# Altium PCB FX_PCB.PcbDoc (part 1 of 2)
Units mil, origin at the board's own origin, x right, y up, seen from the top; angles counter-clockwise.
Board outline 5090.03 x 3840.03 mil, 2 copper layers (Top Layer, Bottom Layer); 132 components, 112 nets, 533 pads, 214 vias.
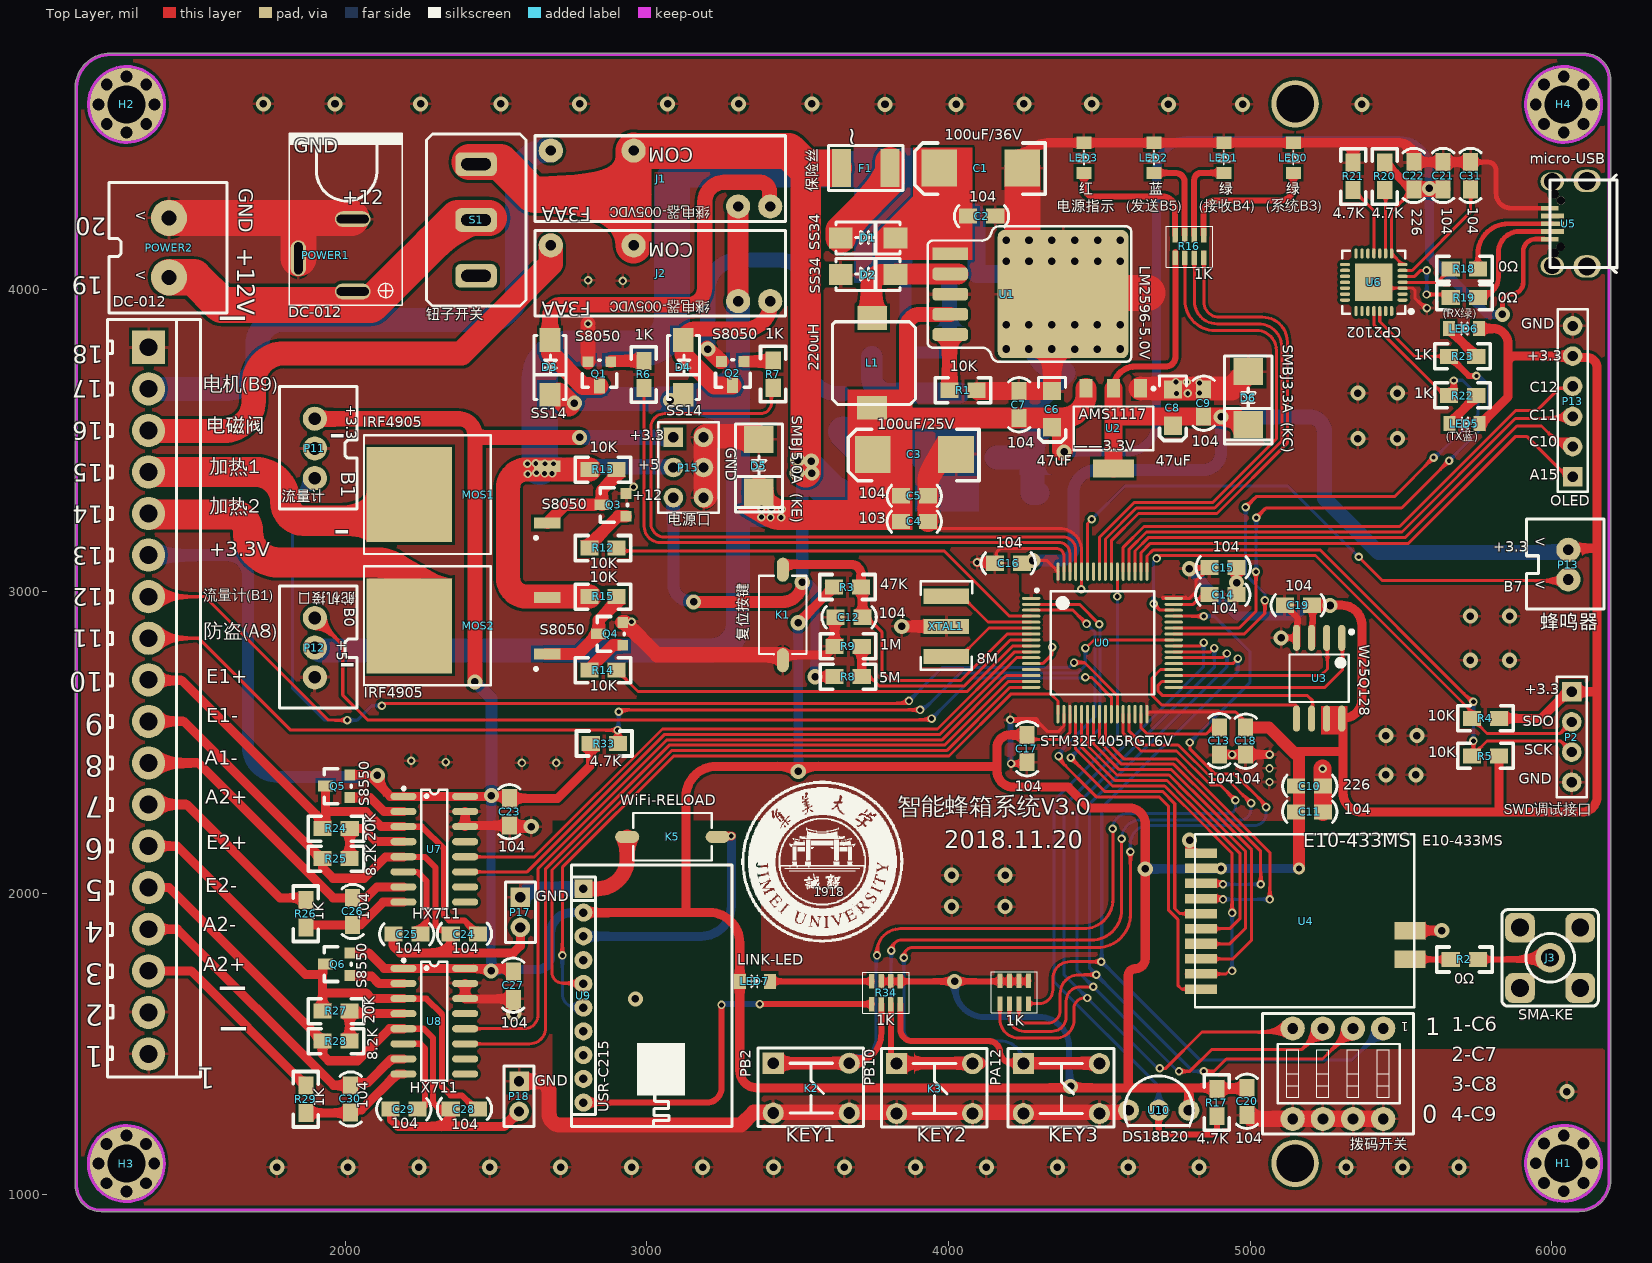
[diagram p0: Top Layer view]
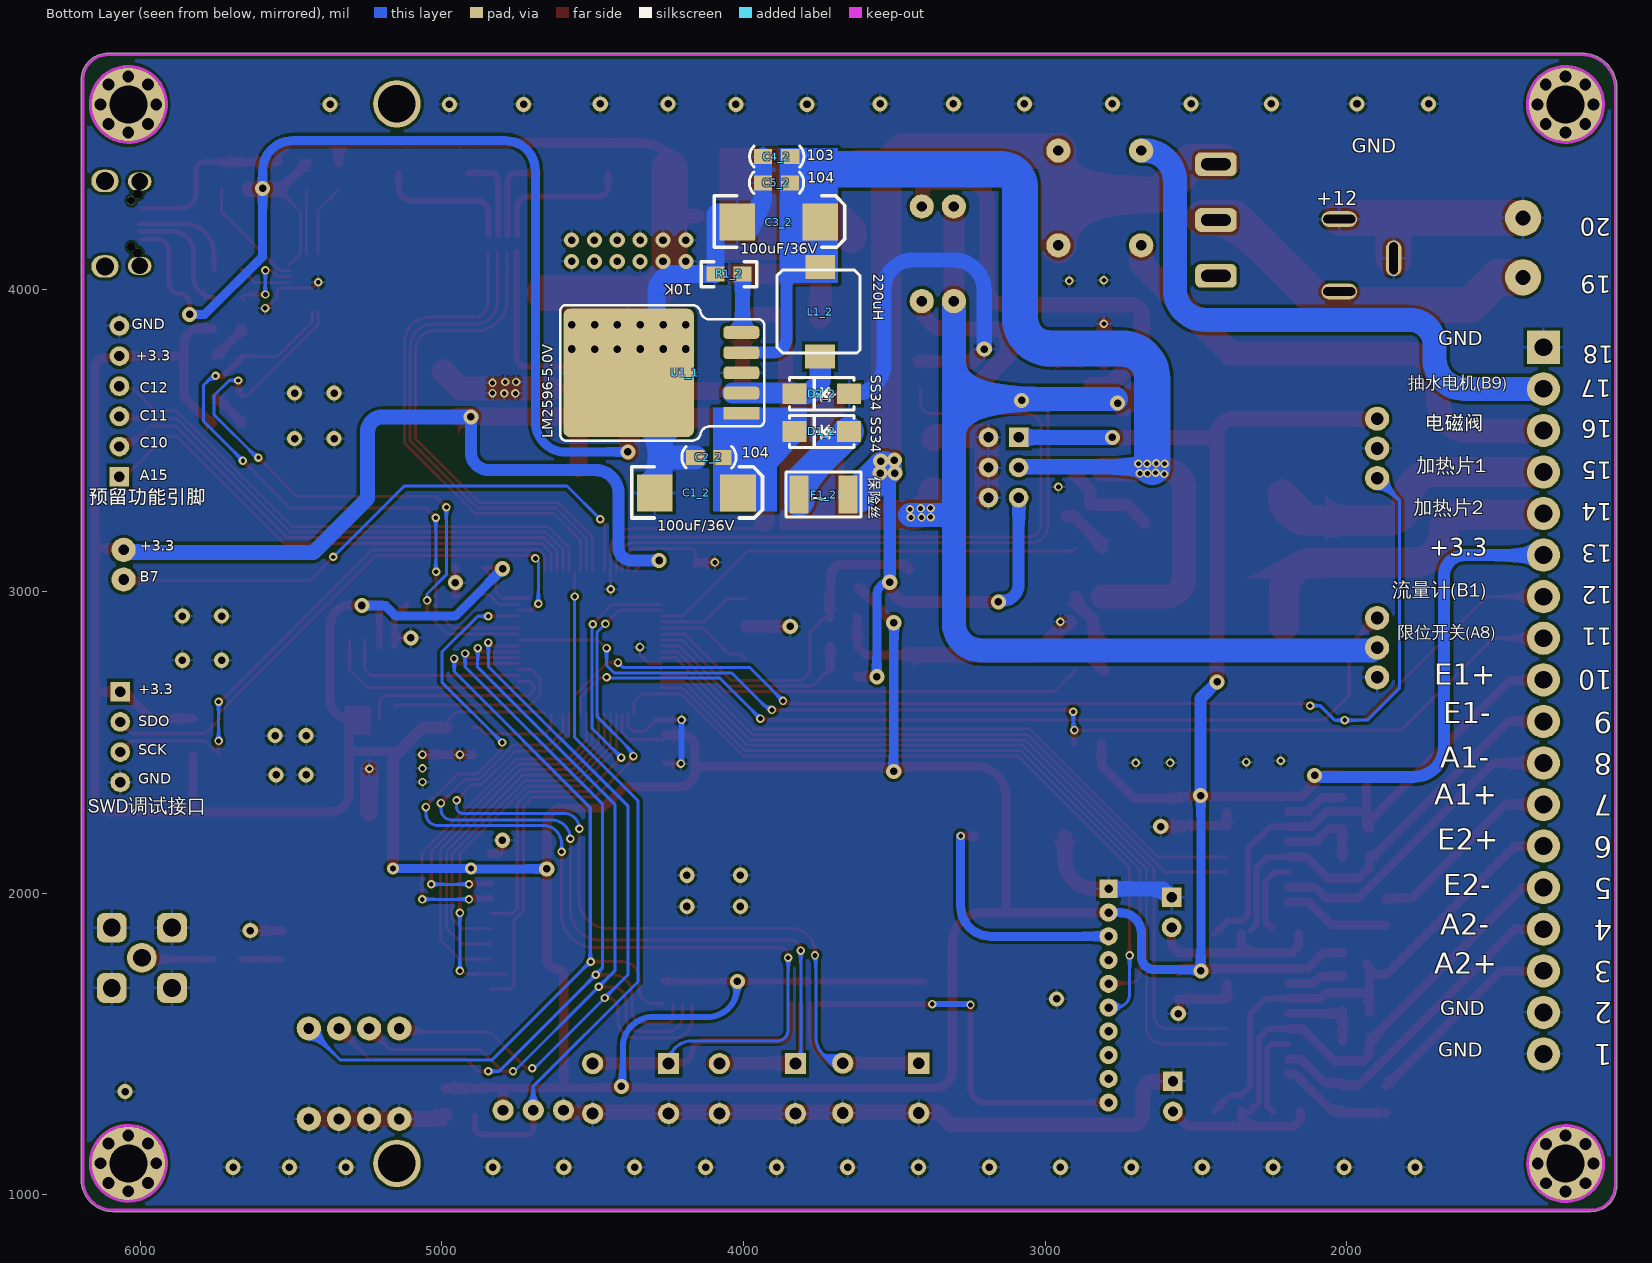
[diagram p1: Bottom Layer view, seen from below]

## Layer stack, top to bottom
Top Solder: solder mask 0.4, Solder Resist, Dk 3.5
Top Layer: signal copper 1.4
Dielectric 1: dielectric 12.6, FR-4, Dk 4.8
Bottom Layer: signal copper 1.4
Bottom Solder: solder mask 0.4, Solder Resist, Dk 3.5

## Board outline
1104.99,1030.81 ccw(c1190.92,1030.92) 1190.83,944.99 ccw(c1190.92,1030.92) 1190.92,944.99 cw(c1190.92,950) 1190.83,944.99 1190.92,944.99 6090.97,944.99 ccw(c6091.02,950) 6091.02,944.99 ccw(c6091.02,1048.98) 6195.02,1048.98 6195.01,4696.23 ccw(c6106.23,4696.23) 6106.33,4785.01 ccw(c6106.23,4780) 6106.23,4785.02 1221.26,4785.01 ccw(c1221.17,4780) 1221.17,4785.02 ccw(c1221.17,4668.83) 1105.05,4672.8 ccw(c1110.06,4672.62) 1105.39,4670.81 ccw(c1110,4668.83) 1104.99,4668.83 1104.98,1030.92 ccw(c1110,1030.92)

## Design rules (kind name [scope] priority, off if disabled: settings)
Clearance [All] p1: gap=8
ComponentClearance [All] p1: gap=0 collisioncheckmode=3 verticalgap=0 showdistances=FALSE
PolygonConnect [All] p1: connectstyle=Relief reliefconductorwidth=10 reliefentries=4 polygonreliefangle="90 Angle" airgapwidth=10
RoutingVias [All] p1: holewidth=28 width=50 viastyle="Through Hole" minholewidth=28 minwidth=50 maxholewidth=28 maxwidth=50
SolderMaskExpansion [All] p1: expansion=4
Width [All] p1: maxlimit=150 minlimit=10 preferedwidth=10 minimp=50.000000 maximp=50.000000 favimp=50.000000
29 further rules are at their usual default settings.

## Classes and differential pairs
component class FX_MCU: C1 C1_2 C2 C2_2 C3 C3_2 C4 C4_2 C5 C5_2 C6 C7 C8 C9 C10 C11 C12 C13 C14 C15 C16 C17 C18 C19 C21 C22 C23 C24 C25 C26 C27 C28 C29 C30 C31 D1 D1_2 D2 D2_2 D5 D6 F1 F1_2 H1 H2 H3 H4 J3 K1 L1 L1_2 LED5 LED6 P2 P13 P15 P17 POWER1 POWER2 Q5 Q6 R1 R1_2 R2 R3 R4 R5 R18 R19 R20 R21 R22 R23 R24 R25 R26 R27 R28 R29 S1 U0 U1 U1_1 U2 U4 U5 U6 U7 U8 XTAL1
component class FX_Peripherals: C20 D3 D4 J1 J2 K2 K3 K5 LED0 LED1 LED2 LED3 LED7 MOS1 MOS2 P11 P12 Q1 Q2 Q3 Q4 R6 R7 R8 R9 R12 R13 R14 R15 R16 R17 R33 U9 U10

## Components (designator, comment, footprint, x,y, rotation, side; value= is the part's Value field where it differs from the comment)
C1 "100uF/36V" TAJ-D 4245,4404.08 r180 top
C1_2 "100uF/36V" TAJ-D 4294,3327 r180 bottom
C2 "104" 0805C 4150,4245 r180 top
C2_2 "104" 0805C 4155,3445 r180 bottom
C3 "100uF/25V" TAJ-D 4025,3455 r180 top
C3_2 "100uF/36V" TAJ-D 4021,4225 r180 bottom
C4 "104" 0805C 3927.24,3232.78 r180 top
C4_2 "104" 0805C 3930,4442 r180 bottom
C5 "103" 0805C 3927.24,3317.78 r180 top
C5_2 "103" 0805C 3931,4355 r180 bottom
C6 "47uF" TAJ-A 4343.56,3545 r270 top
C7 "104" 0805C 4233.56,3660 r270 top
C8 "47uF" TAJ-A 4743.56,3550 r270 top
C9 "104" 0805C 4845.56,3665 r270 top
C10 "226" 0805C 5157,2355.48 r0 top
C11 "104" 0805C 5157,2270 r0 top
C12 "104" 0805C 3630,2915 r0 top
C13 "104" 0805C 4898,2465 r90 top
C14 "104" 0805C 4950,2990 r180 top
C15 "104" 0805C 4870,3080 r0 top
C16 "104" 0805C 4239,3094 r180 top
C17 "104" 0805C 4260,2520 r270 top
C18 "104" 0805C 4985,2545 r270 top
C19 "104" 0805C 5200,2955 r180 top
C20 "104" 0805C 4990,1270 r90 top
C21 "104" 0805C 5639.83,4338.96 r90 top
C22 "226" 0805C 5542.94,4338.96 r90 top
C23 "104" 0805C 2545,2230 r90 top
C24 "104" 0805C 2355,1865 r0 top
C25 "104" 0805C 2245,1865 r180 top
C26 "104" 0805C 2025,1980 r270 top
C27 "104" 0805C 2557.48,1655 r90 top
C28 "104" 0805C 2355,1285 r0 top
C29 "104" 0805C 2235,1285 r180 top
C30 "104" 0805C 2017.64,1358.52 r270 top
C31 "104" 0805C 5730.94,4338.96 r90 top
D1 "SS34" SMA/DO-214AC 3650,4171.4 r0 top
D1_2 "SS34" SMA/DO-214AC 3657,3532 r0 bottom
D2 "SS34" SMA/DO-214AC 3650,4050 r0 top
D2_2 "SS34" SMA/DO-214AC 3657,3657 r0 bottom
D3 "SS14" SMA/DO-214AC 2678,3827 r270 top
D4 "SS14" SMA/DO-214AC 3120,3827 r270 top
D5 "SMBJ5.0A  (KE)" SMBJ 3370,3504 r0 top
D6 "SMBJ3.3A  (KC)" SMBJ 4992,3729 r0 top
F1 "保险丝" 1812 3640,4404.08 r0 top
F1_2 "保险丝" 1812 3649,3322 r0 bottom
H1 "" 定位孔 6040,1106 r0 top
H2 "" 定位孔 1276,4616 r0 top
H3 "" 定位孔 1275.3,1105.08 r0 top
H4 "" 定位孔 6040,4616 r0 top
J1 "继电器-005VDC" 继电器(小型) 3411,4276 r180 top
J2 "继电器-005VDC" 继电器(小型) 3411,3962 r180 top
J3 "SMA-KE" SMA-KE 5995,1785 r0 top
K1 "复位按键" 贴片按键 3448,3067 r270 top
K2 "PB2" SW_PB4_DIP 3671,1438 r180 top
K3 "PB10" SW_PB4_DIP 4080,1436.68 r180 top
K4 "PA12" SW_PB4_DIP 4500,1436.68 r180 top
K5 "WiFi-RELOAD" 贴片按键 3229.33,2190 r180 top
L1 "220uH" "电感 220uh" 3745,3905 r270 top
L1_2 "220uH" "电感 220uh" 3744,3781 r90 bottom
LED0 "绿" 0805LED 5141,4390 r90 top
LED1 "绿" 0805LED 4910.79,4390 r90 top
LED2 "蓝" 0805LED 4678.9,4390 r90 top
LED3 "红" 0805LED 4447,4390 r90 top
LED5 "(TX蓝)" 0805LED 5758.4,3555 r180 top
LED6 "(RX绿)" 0805LED 5756.4,3870 r180 top
LED7 "LINK-LED" 0805LED 3310,1710.18 r0 top
MOS1 "IRF4905" IRF4905(PMOS) 2220,3319.64 r90 top
MOS2 "IRF4905" IRF4905(PMOS) 2220,2885 r90 top
P2 "SWD调试接口" "Header 4" 6065,2669.07 r0 top
P11 "流量计" 接线端子(2.54mm)-3PIN 1880,3376.35 r90 top
P12 "舵机接口" 接线端子(2.54mm)-3PIN 1880,2716 r90 top
P13 "OLED" "Header 6" 6070,3380 r180 top (schematic designator P?)
P13 "" 接线端子(2.54mm)-2PIN 6057.3,3144.11 r270 top
P15 "电源口" "Header 3X2" 3085,3513 r0 top
P17 "GND" "Header 2" 2580,1885 r0 top
P18 "GND" "Header 2" 2575.81,1275 r0 top
P22 "KF350-18P" KF350-18P 1340,3809 r270 top
P35 "拨码开关" 拨码开关(4位直插) 5440,1551 r270 top
POWER1 "DC-012" DC-005 2020,3990 r90 top
POWER2 "DC-012" 接线端子-2P-5.0MM 1420,4227 r270 top
Q1 "S8050" SOT-23 2878,3757 r180 top
Q2 "S8050" SOT-23 3320,3758 r180 top
Q3 "S8050" SOT-23 2925.84,3252.49 r90 top
Q4 "S8050" SOT-23 2915,2825 r90 top
Q5 "S8550" SOT-23 2010,2320 r90 top
Q6 "S8550" SOT-23 2010,1730 r90 top
R1 "10K" 0805R 4048.17,3667.6 r180 top
R1_2 "10K" 0805R 4048,4053 r180 bottom
R2 "0Ω" 0805R 5710,1781.2 r0 top
R3 "47K" 0805R 3665,3015 r180 top
R4 "10K" 0805R 5780,2580 r180 top
R5 "10K" 0805R 5780,2455 r180 top
R6 "1K" 0805R 2990,3720 r270 top
R7 "1K" 0805R 3419,3721 r270 top
R8 "5M" 0805R 3667.39,2718.62 r0 top
R9 "1M" 0805R 3667.39,2818.62 r180 top
R12 "10K" 0805R 2855,3145 r0 top
R13 "10K" 0805R 2855,3405 r0 top
R14 "10K" 0805R 2855,2739.83 r0 top
R15 "10K" 0805R 2855,2983.93 r0 top
R16 "1K" 排阻(4位贴片) 4845.56,4180 r270 top
R17 "4.7K" 0805R 4890,1306.33 r270 top
R18 "0Ω" 0805R 5710,4070 r180 top
R19 "0Ω" 0805R 5710,3975 r180 top
R20 "4.7K" 0805R 5446.1,4376.6 r270 top
R21 "4.7K" 0805R 5341.41,4376.6 r90 top
R22 "1K" 0805R 5704.4,3650 r180 top
R23 "1K" 0805R 5704.4,3780 r180 top
R24 "20K" 0805R 1970.16,2215 r0 top
R25 "8.2K" 0805R 1970,2115 r0 top
R26 "1K" 0805R 1870,1932.34 r270 top
R27 "20K" 0805R 1970,1610 r0 top
R28 "8.2K" 0805R 1970,1510 r0 top
R29 "1K" 0805R 1870,1317.34 r270 top
R33 "4.7K" 0805R 2859,2496 r180 top
R34 "1K" 排阻(4位贴片) 3746.56,1634.59 r90 top
R35 "1K" 排阻(4位贴片) 4264.49,1708.18 r270 top
S1 "钮子开关" 钮子开关(大) 2435,4413 r270 top
U0 "STM32F405RGT6V" LQFP-64(GOOD) 4372,2965 r0 top locked
U1 "LM2596-5.0V" "TO-263-5 - duplicate" 4379.84,3983.56 r270 top locked
U1_1 "LM2596-5.0V" "TO-263-5 - duplicate" 4381,3728 r90 bottom locked
U2 "AMS1117" SOT-223 4633.56,3675 r180 top
U3 "W25Q128" SOW-8 5300,2765 r270 top
U4 "E10-433MS" E10-433MS 4835,2140 r0 top locked
U5 "micro-USB" "Micro-USB (兼容牛角以及固定脚)" 6007,4090 r90 top
U6 "CP2102" QFN-28 5485,3950 r180 top
U7 "HX711" SOP-16 2200,2320 r0 top
U8 "HX711" SOP-16 2200,1750 r0 top
U9 "USR-C215" USR-C215 3054,1421 r180 top
U10 "DS18B20" TO-92 4595.83,1280 r270 top
XTAL1 "8M" 三脚贴片8M晶振 3990,2985 r0 top

## Footprints (in the part's own frame and the unit in brackets; to place one, negate y for a bottom-side part, rotate by r counter-clockwise, add the part's x,y. Pads: shape width x height; smd on the part's side, far side on the other; paste and mask are expansions set on the pad)
0805C [mil]
  rect 60x50 smd: 1(-5,0) 2(85,0)
  silkscreen extent -50,-35 131,36, body extent -16,-26 102,29, height 37
0805LED [mil]
  rect 40x50 smd: 1(-2,-2) 2(98,-2)
  silkscreen extent 25,-22 71,18, body extent 7,-27 87,23, height 43
0805R [mil]
  rect 60x50 smd: 1(-45,0) 2(45,0)
  silkscreen extent -92,-42 92,41, body extent -38,-25 40,25, height 22
1812 [mm]
  rect 1.6x3.2 smd: 1(0.127,0) 2(4.227,0)
  silkscreen extent -0.97,-1.9 5.33,1.9, body extent -0.07,-1.6 4.43,1.6, height 1.6
DC-005 [mil]
  oval 52x118.11 hole 27.56 slot 106.3 at 90 deg: 1(5,-5) 2(245,-5)
  oval 118.11x52 hole 27.56 slot 106.3 at 0 deg: 3(115,175)
  silkscreen extent -40,-170 530,205, body extent -36,-168 538,207, height 430
E10-433MS [mm]
  rect 2.7x0.8 smd: 1(0.068,-0.188) 2(0.068,-1.458) 3(0.068,-2.728) 4(0.068,-3.998) 5(0.068,-5.268) 6(0.068,-6.538) 8(0.068,-9.078) 9(0.068,-10.348) 10(0.068,-11.618)
  rect 2.7x0.9 smd: 7(0.068,-7.808)
  rect 2.6x1.5 smd: 11(17.64,-9.113) 12(17.64,-6.703)
  silkscreen extent -0.45,-13.14 18.02,1.41, body extent -0.45,-13.15 17.98,1.43, height 1.27
"Header 2" [mil]
  rect 65x65 hole 34: 1(0.81,102.01)
  round 65 hole 34: 2(0.81,2.01)
  silkscreen extent -49,-48 51,152, body extent -50,-50 50,150, height 336
"Header 3X2" [mil]
  rect 65x65 hole 34: 1(2.94,-1.52)
  round 65 hole 34: 2(102.94,-1.52) 3(2.94,-101.52) 4(102.94,-101.52) 5(2.94,-201.52) 6(102.94,-201.52)
  silkscreen extent -47,-252 153,48, body extent -42,-252 156,52, height 330
"Header 4" [mil]
  rect 65x65 hole 34: 1(0.95,-0.93)
  round 65 hole 34: 2(0.95,-100.93) 3(0.95,-200.93) 4(0.95,-300.93)
  silkscreen extent -49,-351 51,49, body extent -51,-354 49,46, height 336
"Header 6" [mil]
  rect 65x65 hole 34: 1(0.95,-0.93)
  round 65 hole 34: 2(0.95,-100.93) 3(0.95,-200.93) 4(0.95,-300.93) 5(0.95,-400.73) 6(0.95,-500.73)
  silkscreen extent -49,-556 51,49, body extent -48,-555 52,45, height 336
IRF4905(PMOS) [mm] "IRF4905"
  rect 8x7.2 smd: 1(0.047,0.174)
  rect 0.95x2.25 smd: 2(-2.333,-11.426) 3(2.427,-11.426)
  silkscreen extent -4.95,-10.6 5.05,4, body extent -3.32,-10.46 3.22,-0.52, height 2.39
KF350-18P [mil]
  rect 110x110 hole 59.06: 1(-1.14,8.5)
  round 110 hole 59.06: 2(136.65,8.5) 3(274.45,8.51) 4(412.25,8.51) 5(550.04,8.51) 6(687.84,8.51) 7(825.63,8.5) 8(963.43,8.5) 9(1101.22,8.5) 10(1239.02,8.5) 11(1376.81,8.5) 12(1514.61,8.5) 13(1652.4,8.5) 14(1790.2,8.5) 15(1927.99,8.5) 16(2065.99,8.5) 17(2203.74,8.5) 18(2341.54,8.5)
  silkscreen extent -93,-128 2417,181, body extent -86,-123 2409,172, height 394
LQFP-64(GOOD) [mm]
  oval 1.55x0.25 smd: 1(-2.486,0.325) 2(-2.486,-0.175) 3(-2.486,-0.676) 4(-2.486,-1.175) 5(-2.486,-1.675) 6(-2.486,-2.175) 7(-2.486,-2.675) 8(-2.486,-3.176) 9(-2.486,-3.675) 10(-2.486,-4.175) 11(-2.486,-4.675) 12(-2.486,-5.175) 13(-2.486,-5.676) 14(-2.486,-6.175) 15(-2.486,-6.675) 16(-2.486,-7.175) 33(9.514,-7.175) 34(9.514,-6.675) 35(9.514,-6.175) 36(9.514,-5.676) 37(9.514,-5.175) 38(9.514,-4.675) 39(9.514,-4.175) 40(9.514,-3.675) 41(9.514,-3.176) 42(9.514,-2.675) 43(9.514,-2.175) 44(9.514,-1.675) 45(9.514,-1.175) 46(9.514,-0.676) 47(9.514,-0.175) 48(9.514,0.325)
  oval 0.25x1.55 smd: 17(-0.236,-9.426) 18(0.263,-9.426) 19(0.764,-9.426) 20(1.264,-9.426) 21(1.763,-9.426) 22(2.264,-9.426) 23(2.763,-9.426) 24(3.264,-9.426) 25(3.764,-9.426) 26(4.263,-9.426) 27(4.764,-9.426) 28(5.263,-9.426) 29(5.764,-9.426) 30(6.264,-9.426) 31(6.763,-9.426) 32(7.264,-9.426) 49(7.264,2.575) 50(6.763,2.575) 51(6.264,2.575) 52(5.764,2.575) 53(5.263,2.575) 54(4.764,2.575) 55(4.263,2.575) 56(3.764,2.575) 57(3.264,2.575) 58(2.763,2.575) 59(2.264,2.575) 60(1.763,2.575) 61(1.264,2.575) 62(0.764,2.575) 63(0.263,2.575) 64(-0.236,2.575)
  silkscreen extent -2.14,-7.78 7.86,1.12, body extent -3.04,-9.97 10.09,3.15, height 1.21
"Micro-USB (兼容牛角以及固定脚)" [mm] "兼容牛角以及固定脚"
  round 0.762 hole 0.762: 0(0.825,-0.025) 0(5.8,-0.025)
  oval 0.47x0.7 hole 0.7: 0(1.344,-0.565)
  round 0.7 hole 0.7: 0(5.244,-0.565)
  rect 0.4x1.5 smd: 1(1.994,0.359) 5(4.594,0.359)
  rect 0.4x1.95 smd: 2(2.644,0.135) 3(3.294,0.135) 4(3.944,0.135)
  oval 1.5x2 hole 1.397: 6(6.844,0.135) 7(-0.256,0.135)
  oval 1.9x2.3 hole 1.5: 8(-0.306,-2.786) 9(6.894,-2.786)
  silkscreen extent -0.83,-5.3 7.4,0.33, body extent -0.78,-5.34 7.42,0.09, height 0.23
QFN-28 [mm] "CP2102  USB转串口芯片"
  rect 3.13x3.13 smd mask+0.051: 0(1.909,-1.918)
  oval 0.85x0.28 smd mask+0.051: 1(-0.516,-0.418) 2(-0.516,-0.918) 3(-0.516,-1.418) 4(-0.516,-1.918) 5(-0.516,-2.418) 6(-0.516,-2.918) 7(-0.516,-3.418) 15(4.334,-3.418) 16(4.334,-2.918) 17(4.334,-2.418) 18(4.334,-1.918) 19(4.334,-1.418) 20(4.334,-0.918) 21(4.334,-0.418)
  oval 0.28x0.85 smd mask+0.051: 8(0.409,-4.343) 9(0.909,-4.343) 10(1.409,-4.343) 11(1.909,-4.343) 12(2.409,-4.343) 13(2.909,-4.343) 14(3.409,-4.343) 22(3.409,0.507) 23(2.909,0.507) 24(2.409,0.507) 25(1.909,0.507) 26(1.409,0.507) 27(0.909,0.507) 28(0.409,0.507)
  silkscreen extent -1.39,-4.57 4.56,0.73, body extent -0.58,-4.42 4.42,0.58, height 1
SMA-KE [mm] "天线接头"
  rrect50% 2.5x2.5 hole 1.5: 1(-2.557,2.57) 2(-2.557,-2.51) 3(2.523,-2.51) 4(2.523,2.57)
  round 2.5 hole 1.5: 5(-0.017,0.03)
  silkscreen extent -4.08,-4.03 4.05,4.09, body extent -3.52,-3.47 3.48,3.53, height 9.53
SMA/DO-214AC [mm]
  rect 2x1.75 smd: 1(-0.178,0.025) 2(4.422,0.025)
  silkscreen extent -0.58,-1.32 4.82,1.38, body extent -0.38,-1.32 4.73,1.35, height 2.12
SMBJ [mil] "TVS瞬态抑制二极管"
  rect 98x90 smd: 1(1.65,0.6) 2(1.65,-174.4)
  silkscreen extent -77,-240 80,52, body extent -50,-196 55,5, height 83
SOP-16 [mm]
  oval 2.2x0.6 smd: 1(-0.174,0.028) 2(-0.174,-1.242) 3(-0.174,-2.512) 4(-0.174,-3.782) 5(-0.174,-5.052) 6(-0.174,-6.322) 7(-0.174,-7.592) 8(-0.174,-8.862) 9(5.026,-8.862) 10(5.026,-7.592) 11(5.026,-6.322) 12(5.026,-5.052) 13(5.026,-3.782) 14(5.026,-2.512) 15(5.026,-1.242) 16(5.026,0.028)
  silkscreen extent -0.27,-9.42 3.53,0.82, body extent -0.45,-9.4 5.55,0.5, height 1.4
SOT-23 [mil]
  rect 36x36 smd: 1(-2.52,-5.16) 2(72.48,-5.16)
  rect 36x50 smd: 3(35.48,74.84)
  silkscreen extent -23,-10 92,80, body extent -22,-18 92,92, height 47
SOT-223 [mm]
  rect 1.1x1.55 smd: 1(-0.09,0.029) 2(2.21,0.029) 3(4.51,0.029)
  rect 3.45x1.55 smd: 4(2.21,6.779)
  silkscreen extent -1.29,-0.07 5.56,5.25, body extent -1.09,-0.53 5.51,6.83, height 0.8
SOW-8 [mm]
  oval 2.2x0.6 smd: 1(-2.078,0.092) 2(-2.078,-1.178) 3(-2.078,-2.448) 4(-2.078,-3.718) 5(4.722,-3.718) 6(4.722,-2.448) 7(4.722,-1.178) 8(4.722,0.092)
  silkscreen extent -2.73,-4.31 3.32,1.07, body extent -1.72,-4.35 4.32,0.67, height 1.6
SW_PB4_DIP [mil]
  rect 70x70 hole 39.37: 1(251.98,1.32)
  round 70 hole 39.37: 2(251.98,166.68) 3(0.02,166.68) 4(0.02,1.32)
  silkscreen extent -48,-49 302,211, body extent -37,-49 288,207, height 315
TAJ-A [mil]
  rect 60x60 smd: 1(0,0) 2(-120,0)
  silkscreen extent -165,-45 49,45, body extent -125,-31 9,32, height 65
TAJ-D [mm]
  rect 3x3.1 smd: 1(7,0) 2(0,0)
  silkscreen extent -1.93,-2.11 9.07,2.21, body extent -0.07,-2.12 7.23,2.18, height 2.9
TO-92 [mil]
  round 70 hole 36: 1(-1,1) 2(-1,101) 3(-1,201)
  silkscreen extent -115,-13 51,215, body extent -101,-25 64,201, height 328
"TO-263-5 - duplicate" [mm]
  rect 1.07x3 smd: 1(-3.47,-9.503)
  rrect50% 1.07x3 smd: 2(-1.77,-9.503) 3(-0.07,-9.503) 4(1.63,-9.503) 5(3.33,-9.503)
  rrect10% 10.8x11 smd: 6(-0.07,-0.003)
  silkscreen extent -5.77,-11.41 5.63,5.75, body extent -5.21,-9.55 5.02,4.8, height 4.48
USR-C215 [mil]
  rect 60x60 hole 28: 1(264.14,-593.99)
  round 60 hole 28: 2(264.14,-515.25) 3(264.14,-436.51) 4(264.14,-357.77) 5(264.14,-279.03) 6(264.14,-200.29) 7(264.14,-121.55) 8(264.14,-42.81) 9(264.14,35.93) 10(264.14,114.67)
  silkscreen extent -228,-673 304,193, body extent -227,-672 303,193, height 40
三脚贴片8M晶振 [mm] "CSTCC8M00G53-RO"
  rect 3.8x1.27 smd: 1(0.06,-0.006) 2(0.06,-5.086) 3(0.06,-2.546)
  silkscreen extent -2.1,-6.18 2.24,1.26, body extent -1.72,-6.23 1.84,1.26, height 1.5
定位孔 [mm]
  round 1 hole 1: 1(-2.368,-0.023) 1(-1.679,-1.685) 1(-1.679,1.638) 1(-0.018,-2.373) 1(-0.018,2.327) 1(1.644,-1.685) 1(1.644,1.638) 1(2.332,-0.023)
  round 6.2 hole 3.2: 1(-0.018,-0.023)
  Keep-Out Layer circle w0.254: c-0.018,-0.023 r3.2
拨码开关(4位直插) [mil]
  round 80 hole 36: 1(-1,1) 2(-1,-99) 3(-1,-199) 4(-1,-299) 5(299,-299) 6(299,-199) 7(299,-99) 8(299,1)
  silkscreen extent -51,-399 349,101, body extent -48,-369 342,71, height 276
排阻(4位贴片) [mm]
  rect 1.22x0.45 smd: 1(-0.051,0.013) 2(1.869,0.013) 3(-0.051,-0.787) 4(1.869,-0.787) 5(-0.051,-1.587) 6(1.869,-1.587) 7(-0.051,-2.387) 8(1.869,-2.387)
  silkscreen extent -0.81,-3.14 2.64,0.76, body extent 0.1,-2.79 1.7,0.41, height 0.59
接线端子(2.54mm)-2PIN [mil]
  round 80 hole 35: 1(5.42,-2.44) 2(103.84,-2.44)
  silkscreen extent -97,-142 202,116, body extent -49,-139 151,111, height 460
接线端子(2.54mm)-3PIN [mil]
  round 80 hole 42: 1(0,-19.68) 2(98.43,-19.68) 3(196.85,-19.68)
  silkscreen extent -102,-159 303,98, body extent -52,-157 248,93, height 460
接线端子-2P-5.0MM [mil]
  round 120 hole 50: 1(-11.81,-3.94) 2(185.04,-3.94)
  silkscreen extent -130,-203 303,189, body extent -106,-154 287,161, height 433
"电感 220uh" [mm]
  rect 2x2.5 smd: 1(-0.048,0.065) 2(7.496,0.04)
  silkscreen extent 0.26,-3.31 7.25,3.69, body extent 0.2,-3.4 7.32,3.71, height 4
继电器(小型) [mil] "F3AA (20mm*7mm)"
  round 80 hole 34: 1(454.72,-186.02) 3(729.33,-186.02) 4(1.97,-0.98) 5(108.27,-0.98)
  silkscreen extent -49,-235 781,48, body extent -50,-232 781,49, height 591
贴片按键 [mil]
  oval 80x40 smd: 1(-5.71,2.8) 2(294.29,2.8)
  silkscreen extent 14,-76 274,82, body extent 24,-69 264,77, height 98
钮子开关(大) [mm]
  rrect50% 2x3.5 hole 1 slot 2.5 at 90 deg: 1(-0.102,-0.025) 2(4.598,-0.025) 3(9.298,-0.025)
  silkscreen extent -2.64,-4.21 11.83,4.17, body extent -1.85,-6.06 10.85,5.8, height 28.19

## Part data
C1 C1_2 C3 C3_2 C6 C8: library part "Pol Cap", "极性贴片电容"
C2 C2_2 C4 C4_2 C5 C5_2 C7 C9 C10 C11 C12 C13 C14 C15 C16 C17 C18 C19 C20 C21 C22 C23 C24 C25 C26 C27 C28 C29 C30 C31: library part Cap1, "无极贴片电容"
D1 D1_2 D2 D2_2 D3 D4 D5 D6: library part Diode, "二极管"
F1 F1_2: library part Fuse
H1 H2 H3 H4: library part M3定位孔
J1 J2: library part 继电器, "继电器"
K1 K5: library part 贴片按键, "轻触开关"
K2 K3 K4: library part 轻触开关, "四脚按键"
L1 L1_2: library part L, "电感"
LED0 LED1 LED2 LED3 LED5 LED6 LED7: library part LED, "发光二极管"
MOS1 MOS2: library part PMOS, "PMOS"
P2: library part "Header 4", "排针"
P11 P12: library part 接线端子-3PIN, "3PIN"
P13: library part "Header 6", "排针"
P13 POWER2: library part 接线端子-2PIN, "2PIN"
P15: library part "Header 3X2", "双排排针"
P17 P18: library part "Header 2", "排针"
P22: library part 接线端子KF350-18P
P35: library part 拨码开关4, "4位拨码开关"
POWER1: library part DC-005, "电源插孔"
Q1 Q2 Q3 Q4: library part NPN, "NPN三极管"
Q5 Q6: "PNP"
R1 R1_2 R2 R3 R4 R5 R6 R7 R8 R9 R12 R13 R14 R15 R17 R18 R19 R20 R21 R22 R23 R24 R25 R26 R27 R28 R29 R33: library part Res, "电阻"
R16 R34 R35: library part Res-4, "排阻"
S1: "大功率开关"
U0: "ARM Cortex-M4 32-bit MCU+FPU, 210 DMIPS, 1024 kB Flash, 192 kB Internal RAM, 51 I/Os, 64-pin LQFP, -40 to 85 degC, Tray"
U1 U1_1: library part LM2596, "5V电源芯片"
U2: library part AMS1117-3.3V/5.0V, "电源芯片"
U5: "USB接口"
U6: "USB转串口芯片"
U7 U8: "A/D转换器芯片"
U9: "WIFI模块"
U10: "数字温度传感器"
XTAL1: library part XTAL三脚贴片晶振

## Free pads (board coordinates)
  round 157.48 hole 124.02: 2(5149,1105) 2(5149,4617)

## Via types
v1: diameter 50, hole 25, Top Layer to Bottom Layer, 108 vias
v2: diameter 28, hole 16, Top Layer to Bottom Layer, 98 vias
v3: diameter 28, hole 14, Top Layer to Bottom Layer, 6 vias
v4: diameter 40, hole 20, Top Layer to Bottom Layer, 2 vias

## Nets (pads, with @x,y where several pads share a name; then routed paths per layer and width w, separated by ;. In a path a pad name is that pad's centre, name@x,y a point inside that pad or via, vN(x,y) a via of type N, cw(c..) or ccw(c..) an arc to the next point about the centre after c; other vN are vias at no path point)
3.3V: C8.1 C9.2 C10.1 C11.1 C15.1 C16.1 C17.1 C18.1 C19.1 C20.2 C23.2 C27.2 D6.2 LED5.1 LED6.1 LED7.1 P2.1 P11.3 P13.1@6054.86,3138.69 P13.5 P15.1 P22.6 Q5.2 Q6.2 R3.2 R4.1 R5.1 R16.8 R17.1 R33.2 R34.4 R34.6 R34.8 R35.1 R35.3 R35.5 R35.7 U0.1 U0.13 U0.19 U0.32 U0.48 U0.64 U2.2 U2.4 U3.3 U3.7 U3.8 U4.2 U7.1 U7.16 U8.1 U8.16 U9.2 U10.3 | length 25470.7
  Top Layer w10: C17.1@4265,2510 4379.52,2510 4402.06,2532.54 U0.19@4402.06,2593.92 ; U0.13@4274.11,2741.47 U0.13@4274.11,2741.56 ; v1(4280,3103.31) 4325.74,3103.31 U0.64@4362.69,3066.36 ; U0.32@4657.96,2593.92 4665.05,2601 4952,2601 4985,2568 C18.1@4985,2550 ; U0.48@4771,2977.78 4799.17,2977.78 4820,2998.61 4820,3035 C15.1@4865,3080 4802.64,3080 ccw(c4802.64,3076) v1(4798.64,3076)
  Top Layer w14: 4711.13,2980 4786.08,2980
  Top Layer w20: R34.4@3777.56,1708.18 R34.6@3809.05,1708.18 R34.8@3840.55,1708.18 v1(4020,1708.18) 4262.99,1708.18 ccw(c4262.99,1710.18) R35.1@4264.99,1710.18 ; U2.2@4546.56,3673.87 cw(c4618.68,3673.87) 4618.68,3746 4720,3746 ccw(c4720,3778.01) 4752.01,3778.01 R16.8@4752.01,4126.41 ; C19.1@5205,2955 5207,2953 U3.3@5207,2820
  Top Layer w30: Q6.2@2015.16,1802.48 2077.52,1802.48 2128.9,1751.1 U8.1@2193.15,1751.1 U8.16@2397.87,1751.1 2546.38,1751.1 C27.2@2557.48,1740 ; Q5.2@2015.16,2392.48 2077.52,2392.48 2148.9,2321.1 U7.1@2193.15,2321.1 ; U7.1@2193.9,2321.85 U7.1@2193.15,2321.1 ; C23.2@2538.9,2321.1 U7.16@2397.87,2321.1 U7.1@2193.15,2321.1 ; C23.2@2545,2315 2704,2315 2814,2425 R33.2@2814,2496 ; C23.2@2553.9,2321.1 C23.2@2555,2320 ; U9.2@2789.86,1936.25 3140,1936.25 ; v1(3502,2897) R3.2@3620,3015 ; C17.1@4260,2525 4202.5,2525 ccw(c4202.5,2483.5) 4161,2483.5 4161,2421 ; 4595.83,1360.83 4595.83,1727.23 cw(c4618.59,1727.23) 4618.59,1750 ccw(c4618.59,1783.55) 4652.14,1783.55 v1(4652.14,2081.18) 4652.14,2229.86 ; 4652.14,2235.86 4652.14,2229.86 ; U10.3@4796.83,1281 4796.83,1351.17 ccw(c4793,1351.17) 4793,1355 ; 5142,2470 5308,2470 ; C19.1@5205,2955 5303.1,2955 cw(c5303.1,2887.62) 5370.47,2887.62 5370.47,2643.47 cw(c5307,2643.47) U3.8@5307,2580 ; U3.7@5257,2580 U3.8@5307,2580 ; LED6.1@5758.4,3872 5805,3872 cw(c5805,3822) 5829.3,3865.7 cw(c5805,3822) 5848.7,3846.3 cw(c5805,3822) 5855,3822 5855,3758.15 ; LED5.1@5760.4,3557 5765.4,3557 5855,3646.6 5855,3758.15 ; R5.1@5825,2455 5825,2269.78 ; R4.1@5825,2580 5965,2580 P2.1@6054.07,2669.07 ; P13.1@6057.3,3144.11 6149.11,3144.11 6150,3145 ; P2.1@6065.95,2668.14 6146.86,2668.14 cw(c6146.86,2665) 6150,2665 ; 3140,1936.25 cw(c3140,1946.25) 3130,1946.25 3130,2321 cw(c3230,2321) 3230,2421 4161,2421 ; 3140,1936.25 3208,1936.25 cw(c3208,1836.25) 3308,1836.25 LED7.1@3308,1708.18 3308,1412 ccw(c3365,1412) 3365,1355 4793,1355 ; 4161,2421 4161,2405.44 ccw(c4214.44,2405.44) 4214.44,2352 4397,2352 4465.82,2283.18 4598.82,2283.18 cw(c4598.82,2229.86) 4652.14,2229.86 ; 4793,1355 R17.1@4886.33,1355 ; R17.1@4886.33,1355 cw(c4886.33,1351.33) R17.1@4890,1351.33 4986.33,1351.33 C20.2@4990,1355 R17.1@4886.33,1355 ; U3.8@5307,2580 5308,2579 5308,2470 ; 5308,2470 5308,2331.78 ccw(c5370,2331.78) 5370,2269.78 5825,2269.78 ; 5825,2269.78 6099.78,2269.78 ccw(c6099.78,2320) 6150,2320 6150,2665 ; 5855,3758.15 cw(c5877.58,3758.15) 5877.58,3780.73 P13.5@6069.05,3780.73 ccw(c6073.07,3780.73) 6073.07,3776.71 6115.2,3776.71 cw(c6115.2,3741.91) 6150,3741.91 6150,3145 ; 6150,2665 6150,3145
  Top Layer w40: C18.1@4985,2550 5062,2550 5140,2472 ; 5142,2470 5162.58,2449.42 5162.58,2355.48 v4(5162.58,2082.58)
  Top Layer w50: P11.3@1899.68,3573.2 2376.94,3573.2 cw(c2376.94,3520.13) 2400.03,3567.91 cw(c2376.94,3520.13) 2430,3520.13 ; v1(2430,2701) 2430,3520.13 ; v1(2777,3511.48) 2461.52,3511.48 cw(c2461.52,3573.2) 2430,3520.13
  Top Layer w60: U2.4@4546.56,3408.13 4546.56,3580 ; U2.2@4546.56,3673.87 4546.56,3580 ; C9.2@4830.56,3580 4546.56,3580 ; C9.2@4845.56,3580 D6.2@4950,3580
  Bottom Layer w20: v1(4020,1708.18) 4020,1690 ccw(c4120,1690) 4120,1590 4300,1590 cw(c4300,1490) 4400,1490 4400,1365 ccw(c4405,1365) v1(4405,1360)
  Bottom Layer w30: v1@2484,2308.89 v1(2484,1743) cw(c2488,1743) 2488,1747 2638,1747 ccw(c2638,1790) 2681,1790 2681,1868 cw(c2748,1868) 2748,1935 cw(c2749.25,1935) 2749.25,1936.25 U9.2@2789.86,1936.25 ; v1(3502,2404) v1(3502,2897) ; v1(4652.14,2081.18) 4902.19,2081.18 v4(4903.59,2082.58) v4(5162.58,2082.58) ; v1(4798.64,3076) 4955.64,2919 5152,2919 5187,2954 v1(5265,2954) ; P13.1@6043.19,3130 P13.1@6057.3,3144.11
  Bottom Layer w40: P22.6@1348.51,3121.16 1608.84,3121.16 cw(c1608.84,3052) 1678,3052 1678,2486 ccw(c1778,2486) 1778,2386 v1@2084,2386 ; v1(2430,2701) 2485,2646 v1(2485,2324) ; v1(4280,3103.31) 4372.31,3103.31 ccw(c4372.31,3145) 4414,3145 4414,3326 cw(c4491,3326) 4491,3403 4844,3403 ccw(c4844,3463) 4904,3463 v1(4904,3579)
  Bottom Layer w50: v1(2777,3511.48) P15.1@3087.94,3511.48 ; v1(4904,3579) 5197,3579 cw(c5197,3530) 5246,3530 5246,3309 5425,3130 P13.1@6043.19,3130
  other v1: 2107,2391
5.0V: C3.1 C4.2 C5.2 C6.1 C7.2 C21.1 C22.1 D3.2 D4.2 D5.2 J1.5 J2.5 L1.2 P12.2 R20.1 U1.4 U2.3 U5.1 U6.7 U6.8 | length 9268.3
  Top Layer w10: U6.7@5505.32,4084.55 U6.8@5468.9,4120.97 5468.9,4259.92 C22.1@5542.94,4333.96
  Top Layer w14: 5882.01,3989.96 ccw(c5866.55,4025.17) 5898.54,4003.84 ccw(c5866.55,4025.17) 5905,4025.17 ; U5.1@5973.88,4168.49 U5.1@5992.86,4168.49
  Top Layer w16: v1@5836,3928 5836,3956.17 cw(c5866.55,3956.17) 5866.55,3986.72 ccw(c5866.55,4025.17) 5882.01,3989.96 ccw(c5866.55,4025.17) 5898.54,4003.84 ccw(c5866.55,4025.17) 5905,4025.17 5905,4128 cw(c5945.49,4128) 5945.49,4168.49 U5.1@5973.88,4168.49
  Top Layer w30: 3677,3233 3715,3233 ; R20.1@5446.1,4421.6 5533.74,4333.96 C22.1@5542.94,4333.96
  Top Layer w50: L1.2@3746.56,3609.89 cw(c3747.67,3609.89) 3747.67,3611 3816,3611 ccw(c3816,3656) 3861,3656 3861,3874 cw(c3906.38,3874) 3906.38,3919.38 U1.4@4005.69,3919.38 ; C22.1@5542.94,4333.96 C21.1@5639.83,4333.96
  Top Layer w70: J2.5@3302.73,3962.98 J1.5@3302.73,4276.98 ; L1.2@3746.56,3609.89 ccw(c3780.45,3609.89) 3780.45,3576 4378,3576 ; v1@4378,3468 4378,3576 ; U2.3@4456.01,3645 U2.3@4456.01,3654.01 ; U2.3@4456.01,3673.87 U2.3@4456.01,3654.01 ; 4378,3576 ccw(c4378,3654.01) U2.3@4456.01,3654.01
  Top Layer w80: D3.2@2707.79,3652.9 v1@2739.85,3620.85 ; L1.2@3746.56,3609.89 3746.56,3457.85 ccw(c3749.41,3457.85) C3.1@3749.41,3455
  Top Layer w100: D5.2@3371.65,3329.6 ccw(c3447.25,3329.6) 3447.25,3254 3677,3254
  Bottom Layer w30: v1(4383,3463) 4590,3463 ccw(c4590,3563) 4690,3563 4690,4395 cw(c4790,4395) 4790,4495 5494,4495 cw(c5494,4395) 5594,4395 v1(5594,4337) 5594,4111 5786,3919 v1(5836,3919)
  Bottom Layer w80: P12.2@1918.32,2805.41 3212.41,2805.41 ccw(c3212.41,2895.73) 3302.73,2895.73 3302.73,3252 ; v1@2765,3638 3302.73,3638 ; J2.5@3302.73,3962.98 3302.73,3638 ; v2@3447.25,3254 3304.73,3254 ccw(c3304.73,3252) 3302.73,3252 ; 3302.73,3252 3302.73,3638
  other v1: 2760,3625 3078,3634
  other v2: 3410,3246.11 3445,3246 3380,3247 3448,3273 3413,3276 3380,3277
12.0V: C1.1 C2.2 D1.2 U1.1
18B20_DQ(D2): R17.2 U0.54 U10.2 | length 2332.6
  Top Layer w10: v2@4558.91,2983.93 v2(4559.54,2983.93) U0.54@4559.54,3066.36
  Top Layer w20: U10.2@4696.83,1281 4696.83,1220 ccw(c4716.83,1220) 4716.83,1200 4865,1200 ccw(c4865,1225) 4890,1225 R17.2@4890,1261.33
  Bottom Layer w10: v2(4559.54,2983.93) 4559.54,2516.58 4350,2307.04 4350,1706.94 4696.83,1360.11 U10.2@4696.83,1281
A1+: P22.12 R26.1 | length 660.5
  Top Layer w30: P22.12@1348.5,2294.39 1474.3,2294.39 1783.69,1985 R26.1@1862.34,1985 ; R26.1@1870,1977.34 R26.1@1862.34,1985 ; R26.1@1870,1985 R26.1@1862.34,1985
A1-: C26.1 P22.11 U7.7 | length 1044.8
  Top Layer w30: P22.11@1348.5,2432.19 1512.81,2432.19 1960,1985 C26.1@2025,1985 2070,1985 2106.1,2021.1 U7.7@2193.15,2021.1
A2+: P22.16 R29.1 | length 679.2
  Top Layer w30: P22.16@1348.5,1743.01 1489.33,1743.01 R29.1@1870,1362.34
A2-: C30.1 P22.15 U8.7 | length 1089.2
  Top Layer w30: P22.15@1348.5,1881.01 1443.99,1881.01 1961.48,1363.52 C30.1@2017.64,1363.52 ; C30.1@2020,1372.57 2075.15,1372.57 2153.69,1451.1 U8.7@2193.15,1451.1
ADC10(C0): R8.2 R9.1 U0.8 | length 722.7
  Top Layer w10: 3712.39,2745 3770.39,2687 4052,2687 4204.98,2839.98 U0.8@4274.11,2839.98
  Top Layer w30: 3712.39,2745 R9.1@3712.39,2818.62
AGND1: C24.1 C25.2 P17.2 P22.10 R25.1 U7.5 | length 2066.2
  Top Layer w20: U7.5@2193.15,2121.1 2263.9,2121.1 2300,2085 2300,1896.09 C24.1@2320,1876.09
  Top Layer w30: P22.10@1348.5,2569.98 1465.02,2569.98 1920,2115 R25.1@1925,2115 ; R25.1@1925.16,2120 1925.16,2085 1960.16,2050 2062.74,2050 2133.84,2121.1 U7.5@2193.15,2121.1 ; C25.2@2160,1865 2160,1825 2182.52,1802.48 2321.48,1802.48 ; C24.1@2350,1865 2350,1831 2321.48,1802.48 ; P17.2@2580.81,1887.01 2580.81,1825.81 2557.48,1802.48 2321.48,1802.48
AGND2: C28.1 C29.2 P18.2 P22.14 R28.1 U8.5 | length 2137.4
  Top Layer w20: U8.5@2193.15,1551.1 2260.45,1551.1 2291.9,1519.65 2291.9,1305.67 2320.56,1277.01 C28.1@2350,1277.01 ; C28.1@2350,1285 C28.1@2350,1277.01 ; 2355,1228.93 2350,1233.93 2350,1257 C28.1@2350,1277.01
  Top Layer w30: P22.14@1348.5,2018.8 1416.2,2018.8 R28.1@1925,1510 ; R28.1@1915,1510 R28.1@1925,1510 ; C29.2@2153.9,1275 2153.9,1249.11 2176.01,1227 2320,1227 ; U8.5@2193.15,1551.1 2147.58,1551.1 2041.48,1445 1945,1445 1925,1465 R28.1@1925,1510 ; 2350,1257 2320,1227 ; P18.2@2576.63,1277.01 2526.62,1227 2320,1227
AVDD1: C24.2 P22.9 Q5.3 R24.1 U7.3 | length 1738.1
  Top Layer w20: U7.3@2193.15,2221.1 2254.06,2221.1 2328,2147.16 2328,1927 2344.75,1910.25 2394.75,1910.25 C24.2@2440,1865
  Top Layer w30: P22.9@1348.5,2707.78 1350.5,2705.78 1458.22,2705.78 1925.16,2238.84 R24.1@1925.16,2215 ccw(c1925.16,2225) 1935.16,2225 Q5.3@1935.16,2355.48 ; 1940,2271.1 2068.9,2271.1 2118.9,2221.1 U7.3@2193.15,2221.1
AVDD2: C28.2 P22.13 Q6.3 R27.1 U8.3 | length 1723.4
  Top Layer w20: U8.3@2193.15,1651.1 2268.9,1651.1 2321.48,1598.52 2321.48,1358.52 2350,1330 2387.01,1330 C28.2@2440,1277.01
  Top Layer w30: P22.13@1348.5,2156.6 1442.98,2156.6 1868,1731.58 1925,1731.58 ; R27.1@1925,1607 R27.1@1925,1610 1925,1731.58 ; 1935.16,1670 2069.03,1670 2087.93,1651.1 U8.3@2193.15,1651.1 ; Q6.3@1935.16,1765.48 1925,1755.32 1925,1731.58
BOMA1(C6): P35.1 R35.2 U0.37 | length 2850.8
  Top Layer w10: R35.2@4264.99,1634.59 4300.44,1634.59 ccw(c4300.44,1680) 4345.85,1680 4345.85,1717.08 cw(c4402.06,1717.08) 4402.06,1773.29 v2(4506.31,1773.29) ; U0.37@4746.55,2761.24 4942.24,2761.24 v2@4953,2772
  Bottom Layer w10: v2(4959.24,2778) 4959.24,2735.24 4508,2284 4508,1773.18 4834.43,1446.75 5335.75,1446.75 P35.1@5441,1552
BOMA2(C7): P35.2 R35.4 U0.38 | length 2919
  Top Layer w10: R35.4@4233.49,1634.59 4233.49,1590 ccw(c4253.49,1590) 4253.49,1570 4329.27,1570 ccw(c4329.27,1610.73) 4370,1610.73 4370,1667.08 cw(c4432.92,1667.08) 4432.92,1730 v2(4490,1730) ; U0.38@4746.55,2780.93 4908.93,2780.93 v2(4923,2795) v2@4925,2797 ; v2(4846,1410) 4880,1410 4921.1,1451.1 5240.1,1451.1 P35.2@5341,1552
  Bottom Layer w10: v2(4846,1410) 4810,1410 v2(4490,1730) 4466.94,1753.06 4466.94,2294.94 4923,2751 v2(4923,2795)
BOMA3(C8): P35.3 R35.6 U0.39 | length 2888
  Top Layer w10: R35.6@4202,1634.59 4202,1590.55 ccw(c4250,1590.55) 4250,1542.55 4342.55,1542.55 ccw(c4342.55,1590) 4390,1590 4390,1642.43 cw(c4437.57,1642.43) 4437.57,1690 v2(4480,1690) ; U0.39@4746.55,2800.61 4868.61,2800.61 v2(4881,2813) ; v2(4764,1410) 4800.11,1410 4871.96,1481.85 5170.85,1481.85 P35.3@5241,1552 P35.3@5224.5,1552
  Bottom Layer w10: v2(4764,1410) 4764,1406 v2(4480,1690) 4425.36,1744.64 4425.36,2293.36 4881,2749 v2(4881,2813)
BOMA4(C9): P35.4 R35.8 U0.40 | length 2810.2
  Top Layer w10: R35.8@4170.5,1634.59 4170.5,1582.99 ccw(c4233.49,1582.99) 4233.49,1520 4356,1520 ccw(c4356,1580) 4416,1580 4416,1618.8 cw(c4450.2,1618.8) 4420.16,1635.14 cw(c4450.2,1618.8) v2@4450.2,1653 ; v2(4700,1420) 4720.19,1420 4840.19,1540 5132.5,1540 5141,1548.5 P35.4@5141,1552 ; U0.40@4746.55,2820.3 4835.3,2820.3 v2(4846,2831)
  Bottom Layer w10: v2(4700,1420) 4700,1413 v2(4460,1653) 4382.17,1730.83 4382.17,2288.17 4846,2752 v2(4846,2831)
D+: R18.1 U5.3 | length 353.4
  Top Layer w16: R18.1@5755,4070 5755,4119.67 cw(c5855,4119.67) 5855,4219.67 U5.3@6001.7,4219.67
D-: R19.1 U5.2 | length 406.9
  Top Layer w16: R19.1@5755,3975 ccw(c5755,4043) 5823,4043 5823,4125 cw(c5892.08,4125) 5892.08,4194.08 U5.2@6001.7,4194.08
FEED(B8): R7.2 U0.61 | length 2348.6
  Top Layer w10: R7.2@3419,3676 ccw(c3419,3670) 3413,3670 3413,3626 cw(c3377,3626) 3377,3590 3058,3590 ccw(c3058,3546) 3014,3546 3014,3225 ccw(c3058,3225) 3058,3181 4379.74,3181 cw(c4379.74,3139) 4421.74,3139 U0.61@4421.74,3066.36